# Altium PCB Layout.PcbDoc (part 1 of 2)
Units mm, origin at the board's own origin, x right, y up, seen from the top; angles counter-clockwise.
Board outline 308.8 x 101.28 mm, 2 copper layers (Top Layer, Bottom Layer); 179 components, 115 nets, 662 pads, 125 vias.
Unrouted connection lines stored in the file: 1.
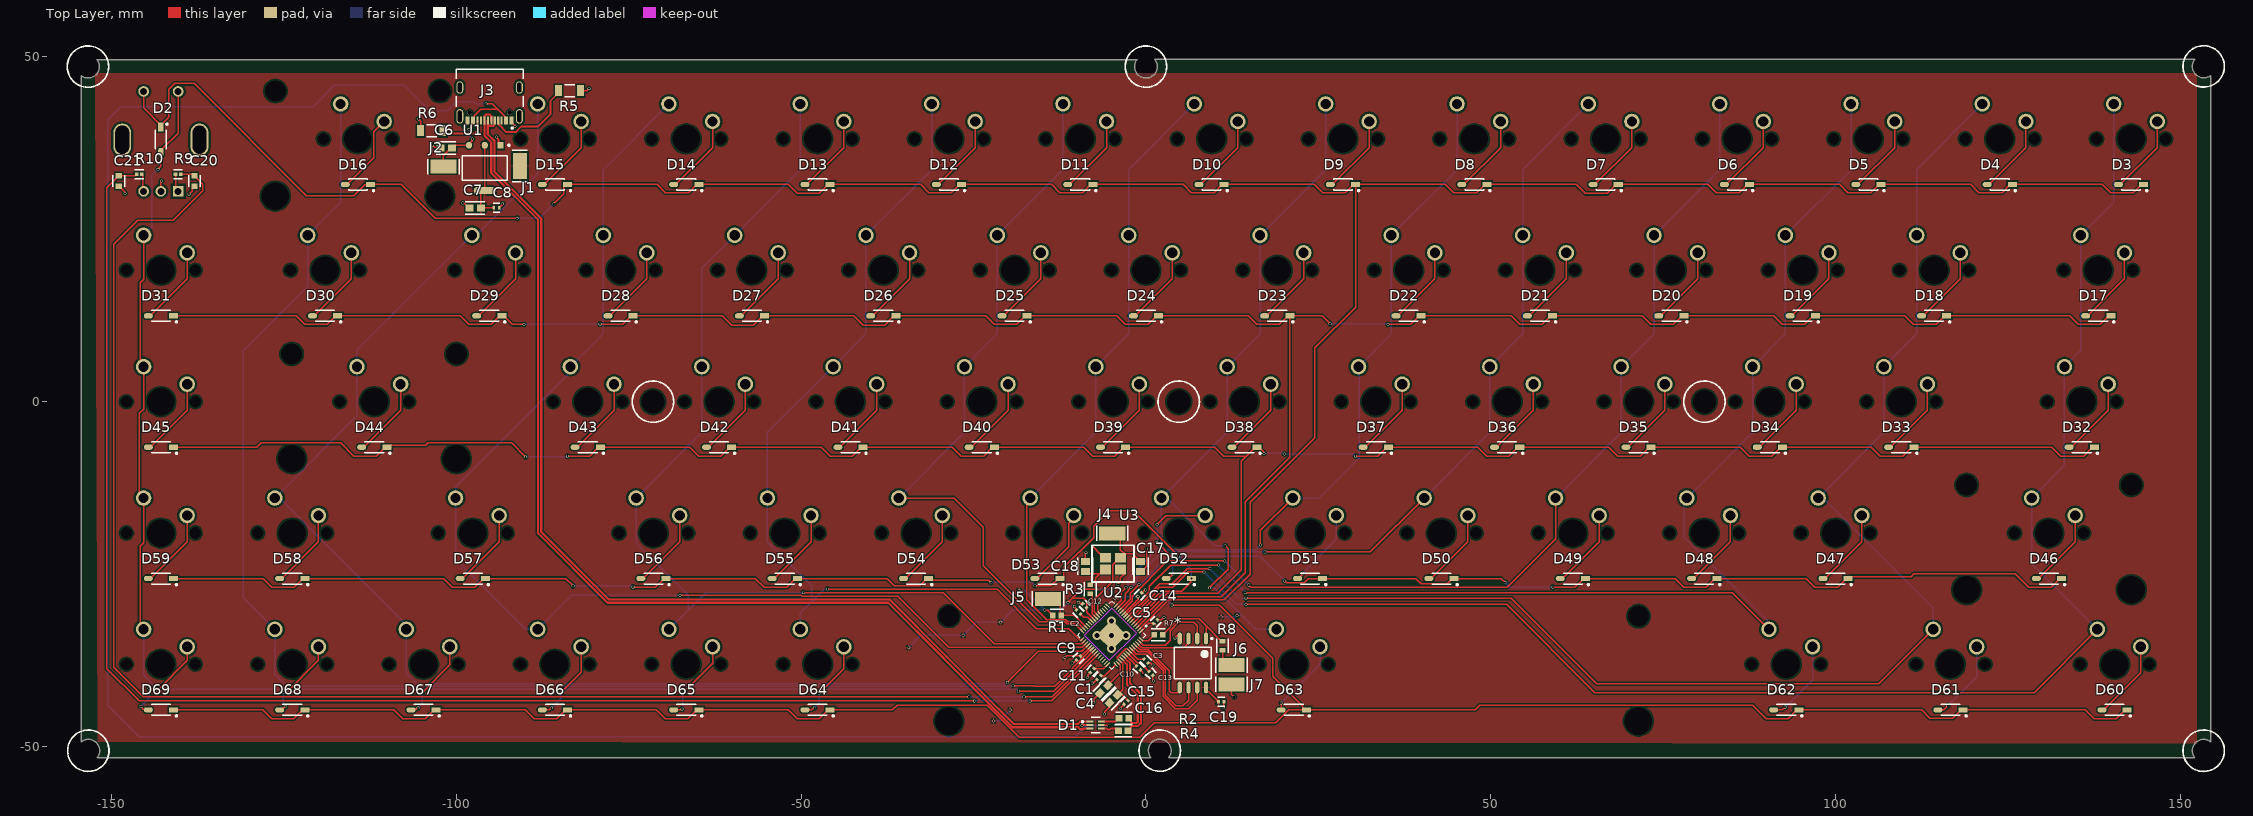
[diagram p0: Top Layer view]
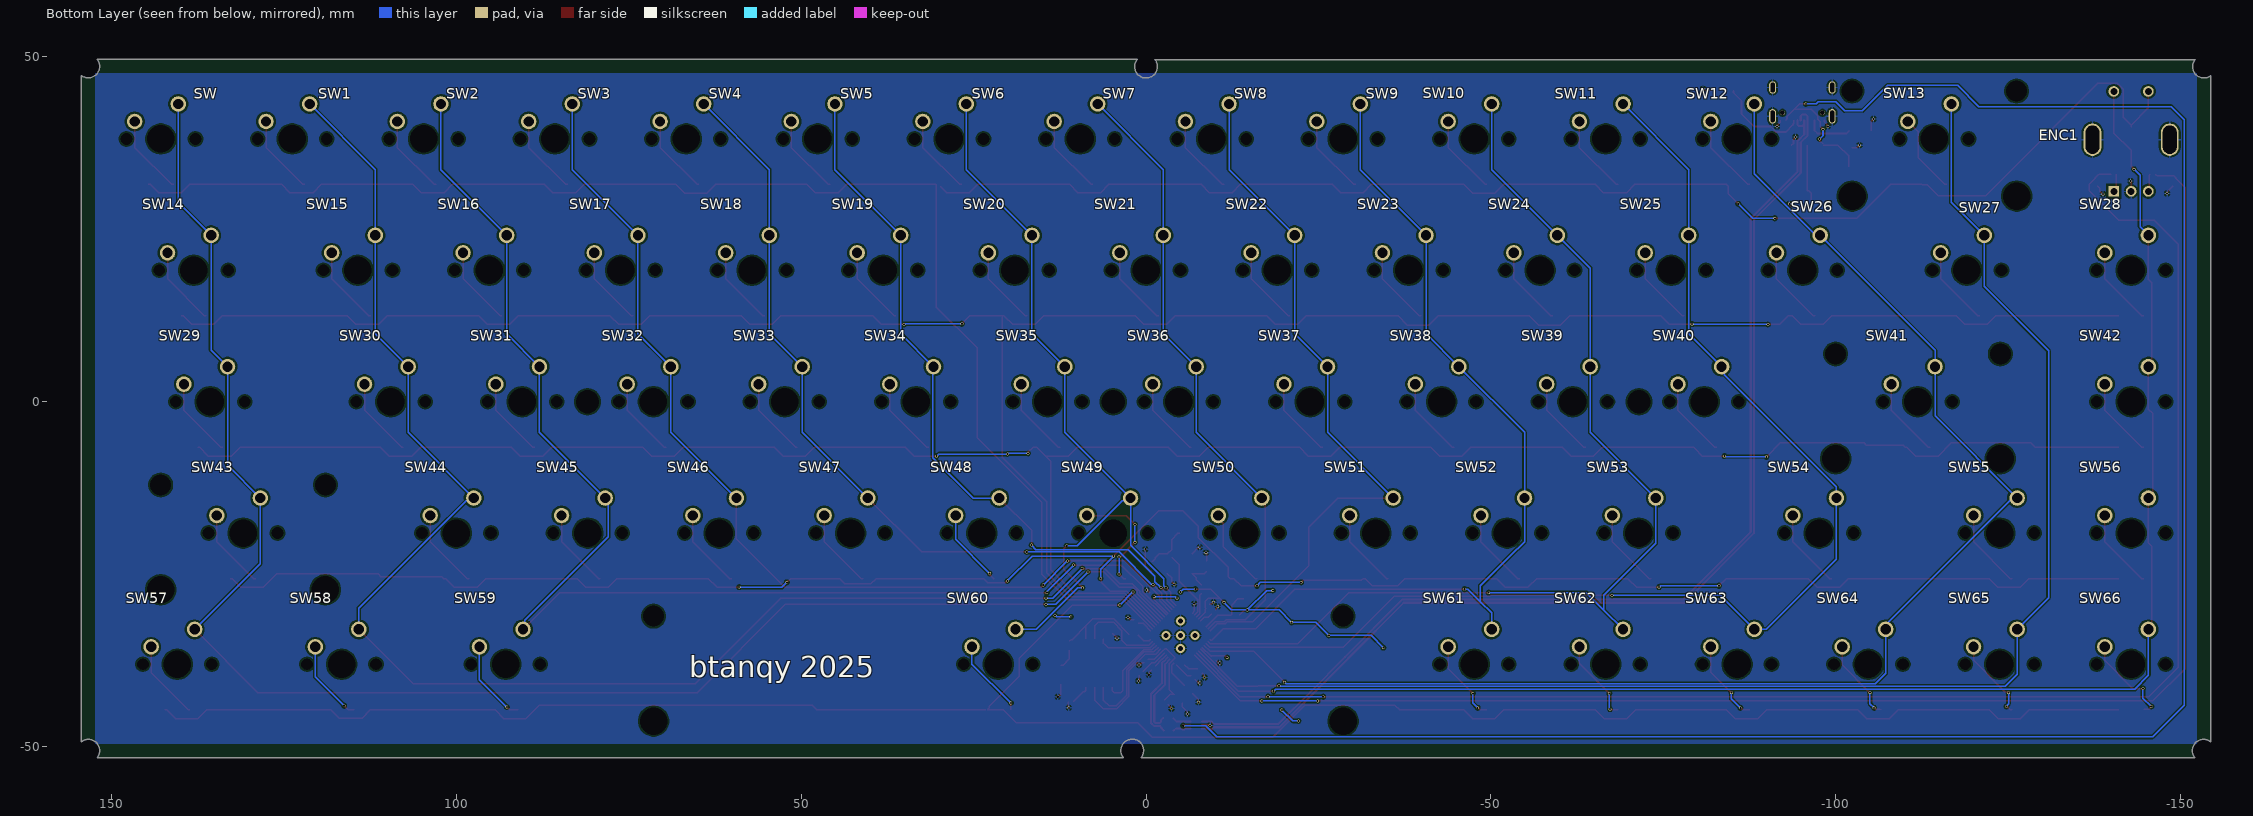
[diagram p1: Bottom Layer view, seen from below]
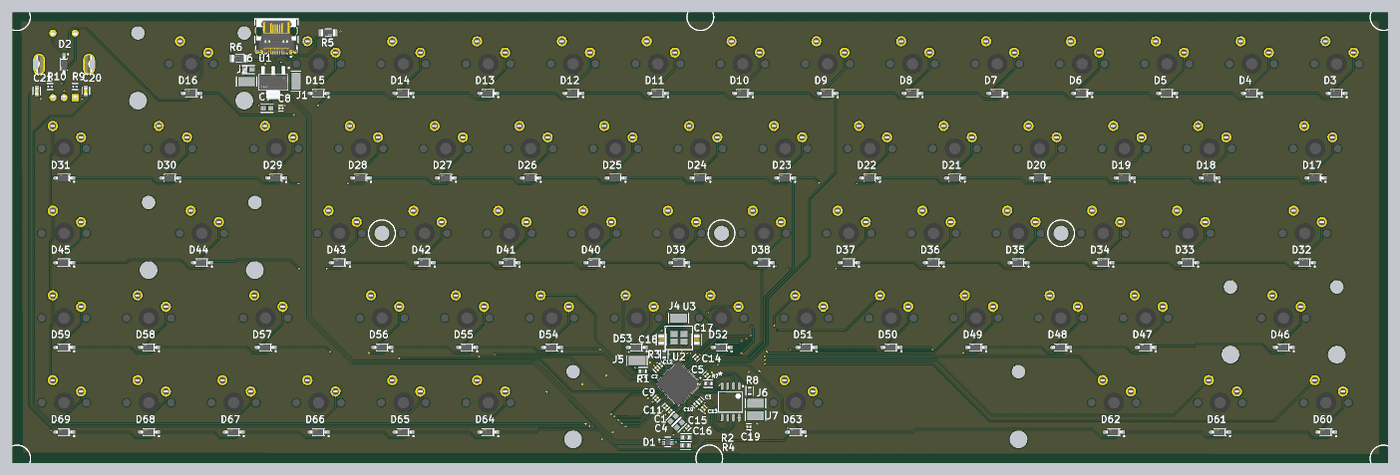
[diagram p3: 3D render of the assembled board from above, using the file's embedded part models]
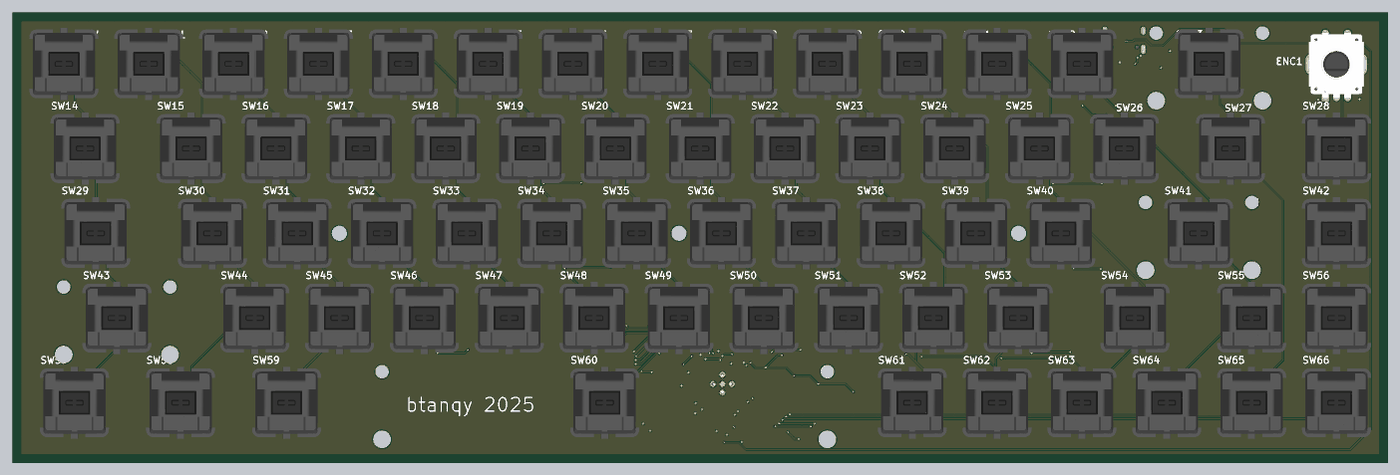
[diagram p4: 3D render of the assembled board from below, using the file's embedded part models]

## Layer stack, top to bottom
Top Solder: solder mask 0.0102, Solder Resist, Dk 3.5
Top Layer: signal copper 0.0356
Dielectric 1: dielectric 0.32, FR-4, Dk 4.8
Bottom Layer: signal copper 0.0356
Bottom Solder: solder mask 0.0102, Solder Resist, Dk 3.5

## Board outline
-154.393,-49.307 -154.393,47.244 -154.4,47.251 ccw(c-153.45,48.6) -152.154,49.622 -1.306,49.622 -1.3,49.616 ccw(c0,48.6) 1.282,49.638 152.077,49.638 152.089,49.626 ccw(c153.4,48.625) 154.393,47.307 154.393,-49.305 154.401,-49.314 ccw(c153.4,-50.625) 152.082,-51.618 3.302,-51.618 3.3,-51.616 ccw(c2,-50.6) 0.718,-51.638 -152.077,-51.638 -152.089,-51.626 ccw(c-153.4,-50.625)

## Design rules (kind name [scope] priority, off if disabled: settings)
Clearance [All] p1: gap=0.2 ignorepadtopadclearanceinfootprint=FALSE except(0.1: Arc-Arc Arc-Track Arc-SMDPad Track-Track Track-SMDPad; 0.15: SMDPad-SMDPad SMDPad-Hole; 0.254: Arc-Text Track-Text SMDPad-Text THPad-Text Via-Text Via-Hole Fill-Text Fill-Hole Poly-Text Poly-Hole Region-Text Region-Hole Text-Text Text-Hole; 0.28: Arc-THPad Track-THPad SMDPad-THPad THPad-THPad; 0.3: THPad-Fill THPad-Poly THPad-Region THPad-Hole)
ComponentClearance [All] p1: gap=0.1 collisioncheckmode=3 verticalgap=0.254 showdistances=FALSE donotcheckwithout3dbody=TRUE
DiffPairsRouting [All] p1: maxlimit=0.15 minlimit=0.15 mostfreqgap=0.15 toplayer_minwidth=0.315 toplayer_maxwidth=0.315 toplayer_prefwidth=0.315 bottomlayer_minwidth=0.315 bottomlayer_maxwidth=0.315 bottomlayer_prefwidth=0.315 maxuncoupledlength=12.7
Height [All] p1: minheight=0 maxheight=50 prefheight=12.7
HoleSize [All] p1: absolutevalues=TRUE maxlimit=10 minlimit=0.025 maxpercent=80.000 minpercent=20.000
MinimumSolderMaskSliver [All] p1: minsoldermaskwidth=0.1
PolygonConnect [All] p1: connectstyle=Relief reliefconductorwidth=0.254 reliefentries=4 polygonreliefangle="90 Angle" airgapwidth=0.254
RoutingVias [All] p1: holewidth=0.3 width=0.4 viastyle="Through Hole" minholewidth=0.3 minwidth=0.4 maxholewidth=0.3 maxwidth=0.45
SilkToSilkClearance [All] p1: silktosilkclearance=0
SilkToSolderMaskClearance [IsPad] p1: minsilkscreentomaskgap=0 clearancetoexposedcopper=TRUE
SolderMaskExpansion [All] p1: expansion=0.05 istentingtop=FALSE
SupplyNets "Schematic Supply Nets_2" [InNet('3V3')] p1: voltage=0.000
SupplyNets "Schematic Supply Nets_1" [InNet('VBUS')] p2: voltage=0.000
SupplyNets "Schematic Supply Nets" [InNet('GND')] p3: voltage=0.000
Width [All] p1: maxlimit=5 minlimit=0.1 preferedwidth=0.2 minimp=50.000000 maximp=50.000000 favimp=50.000000
23 further rules are at their usual default settings.

## Classes and differential pairs
component class Keyboard: * C1 C2 C3 C4 C5 C6 C7 C8 C9 C10 C11 C12 C13 C14 C15 C16 C17 C18 C19 D1 J1 J2 J3 J4 J5 J6 J7 R1 R2 R3 R4 R5 R6 R7 R8 U1 U3
component class Designator: C20 C21 D2 D3 D4 D5 D6 D7 D8 D9 D10 D11 D12 D13 D14 D15 D16 D17 D18 D19 D20 D21 D22 D23 D24 D25 D26 D27 D28 D29 D30 D31 D32 D33 D34 D35 D36 D37 D38 D39 D40 D41 D42 D43 D44 D45 D46 D47 D48 D49 D50 D51 D52 D53 D54 D55 D56 D57 D58 D59 D60 D61 D62 D63 D64 D65 D66 D67 D68 D69 ENC1 R9 R10 SW SW1 SW2 SW3 SW4 SW5 SW6 SW7 SW8 SW9 SW10 SW11 SW12 SW13 SW14 SW15 SW16 SW17 SW18 SW19 SW20 SW21 SW22 SW23 SW24 SW25 SW26 SW27 SW28 SW29 SW30 SW31 SW32 SW33 SW34 SW35 SW36 SW37 SW38 SW39 SW40 SW41 SW42 SW43 SW44 SW45 SW46 SW47 SW48 SW49 SW50 SW51 SW52 SW53 SW54 SW55 SW56 SW57 SW58 SW59 SW60 SW61 SW62 SW63 SW64 SW65 SW66
differential pair USB_D: +USB_D_P -USB_D_N
differential pair D: +D_P -D_N

## Components (designator, comment, footprint, x,y, rotation, side; value= is the part's Value field where it differs from the comment)
* "IS25LP080D-JBLE-TR1" SOIC127P790X216-8N 6.8,-37.9 r270 top
C1 "GRM155R71C104KA88J" FP-GRM155-0_05-MFG -6.8,-40 r45 top
C2 "GRM155R71C104KA88J" FP-GRM155-0_05-MFG -9.8,-30.5 r315 top
C3 "GRM155R71C104KA88J" FP-GRM155-0_05-MFG 0,-37.6 r135 top
C4 "CL10A105KO8NNNC" FP-CL10-IPC_A -6.1,-41.7 r225 top
C5 "GRM155R71C104KA88J" FP-GRM155-0_05-MFG 1.4,-31.9 r225 top
C6 "CL10A105KO8NNNC" FP-CL10-IPC_A -101.5,36.8 r180 top
C7 "CL10A105KO8NNNC" FP-CL10-IPC_A -97.3,28.1 r180 top
C8 "GRM155R71C104KA88J" FP-GRM155-0_05-MFG -94.2,28.1 r0 top
C9 "GRM155R71C104KA88J" FP-GRM155-0_05-MFG -9.8,-37.2 r45 top
C10 "GRM155R71C104KA88J" FP-GRM155-0_05-MFG -1.1,-38.6 r135 top
C11 "GRM155R71C104KA88J" FP-GRM155-0_05-MFG -7.8,-39 r45 top
C12 "GRM155R71C104KA88J" FP-GRM155-0_05-MFG -8.9,-29.6 r315 top
C13 "GRM155R71C104KA88J" FP-GRM155-0_05-MFG 0.7,-39.4 r135 top
C14 "GRM155R71C104KA88J" FP-GRM155-0_05-MFG -0.9,-28 r225 top
C15 "CL10A105KO8NNNC" FP-CL10-IPC_A -4.7,-43.1 r45 top
C16 "GRM155R71C104KA88J" FP-GRM155-0_05-MFG -2.9,-43.6 r45 top
C17 "GQM2195C2E320JB12D" FP-GQM219-0_15-IPC_C -0.8,-23.9 r270 top
C18 "GQM2195C2E320JB12D" FP-GQM219-0_15-IPC_C -8.8,-23.9 r90 top
C19 "GRM155R71C104KA88J" FP-GRM155-0_05-MFG 10.9,-43.5 r180 top
C20 "CC0603KRX7R9BB103" FP-CC0603-DA-MFG -138,32 r270 top value="10 nF"
C21 "CC0603KRX7R9BB103" FP-CC0603-DA-MFG -149,32 r90 top value="10 nF"
D1 "USBLC6-2P6" FP-SOT-666-MFG -7.3,-46.9 r0 top
D2 "1N4148W-TP" FP-SOD-123-IPC_A -142.88,38 r270 top
D3 "1N4148W-TP" FP-SOD-123-IPC_A 142.87,31.5 r180 top
D4 "1N4148W-TP" FP-SOD-123-IPC_A 123.82,31.5 r180 top
D5 "1N4148W-TP" FP-SOD-123-IPC_A 104.77,31.5 r180 top
D6 "1N4148W-TP" FP-SOD-123-IPC_A 85.72,31.5 r180 top
D7 "1N4148W-TP" FP-SOD-123-IPC_A 66.67,31.5 r180 top
D8 "1N4148W-TP" FP-SOD-123-IPC_A 47.62,31.5 r180 top
D9 "1N4148W-TP" FP-SOD-123-IPC_A 28.57,31.5 r180 top
D10 "1N4148W-TP" FP-SOD-123-IPC_A 9.52,31.5 r180 top
D11 "1N4148W-TP" FP-SOD-123-IPC_A -9.53,31.5 r180 top
D12 "1N4148W-TP" FP-SOD-123-IPC_A -28.58,31.5 r180 top
D13 "1N4148W-TP" FP-SOD-123-IPC_A -47.63,31.5 r180 top
D14 "1N4148W-TP" FP-SOD-123-IPC_A -66.68,31.5 r180 top
D15 "1N4148W-TP" FP-SOD-123-IPC_A -85.73,31.5 r180 top
D16 "1N4148W-TP" FP-SOD-123-IPC_A -114.305,31.5 r180 top
D17 "1N4148W-TP" FP-SOD-123-IPC_A 138.108,12.45 r180 top
D18 "1N4148W-TP" FP-SOD-123-IPC_A 114.295,12.45 r180 top
D19 "1N4148W-TP" FP-SOD-123-IPC_A 95.245,12.45 r180 top
D20 "1N4148W-TP" FP-SOD-123-IPC_A 76.195,12.45 r180 top
D21 "1N4148W-TP" FP-SOD-123-IPC_A 57.145,12.45 r180 top
D22 "1N4148W-TP" FP-SOD-123-IPC_A 38.095,12.45 r180 top
D23 "1N4148W-TP" FP-SOD-123-IPC_A 19.045,12.45 r180 top
D24 "1N4148W-TP" FP-SOD-123-IPC_A -0.005,12.45 r180 top
D25 "1N4148W-TP" FP-SOD-123-IPC_A -19.055,12.45 r180 top
D26 "1N4148W-TP" FP-SOD-123-IPC_A -38.105,12.45 r180 top
D27 "1N4148W-TP" FP-SOD-123-IPC_A -57.155,12.45 r180 top
D28 "1N4148W-TP" FP-SOD-123-IPC_A -76.205,12.45 r180 top
D29 "1N4148W-TP" FP-SOD-123-IPC_A -95.255,12.45 r180 top
D30 "1N4148W-TP" FP-SOD-123-IPC_A -119.067,12.45 r180 top
D31 "1N4148W-TP" FP-SOD-123-IPC_A -142.88,12.45 r180 top
D32 "1N4148W-TP" FP-SOD-123-IPC_A 135.726,-6.6 r180 top
D33 "1N4148W-TP" FP-SOD-123-IPC_A 109.532,-6.6 r180 top
D34 "1N4148W-TP" FP-SOD-123-IPC_A 90.482,-6.6 r180 top
D35 "1N4148W-TP" FP-SOD-123-IPC_A 71.432,-6.6 r180 top
D36 "1N4148W-TP" FP-SOD-123-IPC_A 52.382,-6.6 r180 top
D37 "1N4148W-TP" FP-SOD-123-IPC_A 33.332,-6.6 r180 top
D38 "1N4148W-TP" FP-SOD-123-IPC_A 14.282,-6.6 r180 top
D39 "1N4148W-TP" FP-SOD-123-IPC_A -4.768,-6.6 r180 top
D40 "1N4148W-TP" FP-SOD-123-IPC_A -23.818,-6.6 r180 top
D41 "1N4148W-TP" FP-SOD-123-IPC_A -42.868,-6.6 r180 top
D42 "1N4148W-TP" FP-SOD-123-IPC_A -61.918,-6.6 r180 top
D43 "1N4148W-TP" FP-SOD-123-IPC_A -80.968,-6.6 r180 top
D44 "1N4148W-TP" FP-SOD-123-IPC_A -111.924,-6.6 r180 top
D45 "1N4148W-TP" FP-SOD-123-IPC_A -142.88,-6.6 r180 top
D46 "1N4148W-TP" FP-SOD-123-IPC_A 130.964,-25.65 r180 top
D47 "1N4148W-TP" FP-SOD-123-IPC_A 100.008,-25.65 r180 top
D48 "1N4148W-TP" FP-SOD-123-IPC_A 80.958,-25.65 r180 top
D49 "1N4148W-TP" FP-SOD-123-IPC_A 61.908,-25.65 r180 top
D50 "1N4148W-TP" FP-SOD-123-IPC_A 42.858,-25.65 r180 top
D51 "1N4148W-TP" FP-SOD-123-IPC_A 23.808,-25.65 r180 top
D52 "1N4148W-TP" FP-SOD-123-IPC_A 4.758,-25.65 r180 top
D53 "1N4148W-TP" FP-SOD-123-IPC_A -14.292,-25.65 r180 top
D54 "1N4148W-TP" FP-SOD-123-IPC_A -33.342,-25.65 r180 top
D55 "1N4148W-TP" FP-SOD-123-IPC_A -52.392,-25.65 r180 top
D56 "1N4148W-TP" FP-SOD-123-IPC_A -71.442,-25.65 r180 top
D57 "1N4148W-TP" FP-SOD-123-IPC_A -97.636,-25.65 r180 top
D58 "1N4148W-TP" FP-SOD-123-IPC_A -123.83,-25.65 r180 top
D59 "1N4148W-TP" FP-SOD-123-IPC_A -142.88,-25.65 r180 top
D60 "1N4148W-TP" FP-SOD-123-IPC_A 140.489,-44.7 r180 top
D61 "1N4148W-TP" FP-SOD-123-IPC_A 116.677,-44.7 r180 top
D62 "1N4148W-TP" FP-SOD-123-IPC_A 92.865,-44.7 r180 top
D63 "1N4148W-TP" FP-SOD-123-IPC_A 21.428,-44.7 r180 top
D64 "1N4148W-TP" FP-SOD-123-IPC_A -47.628,-44.7 r180 top
D65 "1N4148W-TP" FP-SOD-123-IPC_A -66.678,-44.7 r180 top
D66 "1N4148W-TP" FP-SOD-123-IPC_A -85.728,-44.7 r180 top
D67 "1N4148W-TP" FP-SOD-123-IPC_A -104.778,-44.7 r180 top
D68 "1N4148W-TP" FP-SOD-123-IPC_A -123.828,-44.7 r180 top
D69 "1N4148W-TP" FP-SOD-123-IPC_A -142.878,-44.7 r180 top
ENC1 "PEC12R-4225F-S0024" FP-PEC12R-4225F-S0024-MFG -142.88,38 r180 bottom
J1 "5019" FP-5019-MFG -90.8,34.2 r90 top
J2 "5019" FP-5019-MFG -101.9,34.1 r0 top
J3 "USB4105-GF-A" FP-USB4105-GF-A-MFG -95.2,44.4 r180 top
J4 "5019" FP-5019-MFG -4.9,-19.1 r0 top
J5 "5019" FP-5019-MFG -14.2,-28.6 r0 top
J6 "5019" FP-5019-MFG 12.4,-38.2 r0 top
J7 "5019" FP-5019-MFG 12.4,-41 r0 top
R1 "RMCF0603JT10K0" FP-RMCF0603-IPC_C -12.9,-31 r180 top
R2 "RMCF0603FT27R0" FP-RMCF0603-IPC_B -3.2,-45.9 r0 top
R3 "RC0603FR-071KL" FP-RC0603-0_55-IPC_C -8.1,-27.2 r270 top
R4 "RMCF0603FT27R0" FP-RMCF0603-IPC_B -3.3,-47.7 r0 top
R5 "RMCF1206JT56K0" FP-RMCF1206-MFG -83.6,45.1 r0 top
R6 "RMCF1206JT56K0" FP-RMCF1206-MFG -103.6,39.3 r180 top
R7 "RMCF0603JT10K0" FP-RMCF0603-IPC_C 1.8,-33.8 r180 top
R8 "RC0603FR-071KL" FP-RC0603-0_55-IPC_C 11.1,-35.4 r90 top
R9 "RC0402JR-0710KL" FP-RC0402-0_4-IPC_C -140.379,33 r0 top
R10 "RC0402JR-0710KL" FP-RC0402-0_4-IPC_C -146,33 r180 top
SW "CherryMX" CherryMX-Footprint-1 142.87,38.1 r180 bottom
SW1 "CherryMX" CherryMX-Footprint-1 123.82,38.1 r180 bottom
SW2 "CherryMX" CherryMX-Footprint-1 104.77,38.1 r180 bottom
SW3 "CherryMX" CherryMX-Footprint-1 85.72,38.1 r180 bottom
SW4 "CherryMX" CherryMX-Footprint-1 66.67,38.1 r180 bottom
SW5 "CherryMX" CherryMX-Footprint-1 47.62,38.1 r180 bottom
SW6 "CherryMX" CherryMX-Footprint-1 28.57,38.1 r180 bottom
SW7 "CherryMX" CherryMX-Footprint-1 9.52,38.1 r180 bottom
SW8 "CherryMX" CherryMX-Footprint-1 -9.53,38.1 r180 bottom
SW9 "CherryMX" CherryMX-Footprint-1 -28.58,38.1 r180 bottom
SW10 "CherryMX" CherryMX-Footprint-1 -47.63,38.1 r180 bottom
SW11 "CherryMX" CherryMX-Footprint-1 -66.68,38.1 r180 bottom
SW12 "CherryMX" CherryMX-Footprint-1 -85.73,38.1 r180 bottom
SW13 "CherryMX" CherryMX-Footprint-1 -114.305,38.1 r180 bottom
SW14 "CherryMX" CherryMX-Footprint-1 138.108,19.05 r180 bottom
SW15 "CherryMX" CherryMX-Footprint-1 114.295,19.05 r180 bottom
SW16 "CherryMX" CherryMX-Footprint-1 95.245,19.05 r180 bottom
SW17 "CherryMX" CherryMX-Footprint-1 76.195,19.05 r180 bottom
SW18 "CherryMX" CherryMX-Footprint-1 57.145,19.05 r180 bottom
SW19 "CherryMX" CherryMX-Footprint-1 38.095,19.05 r180 bottom
SW20 "CherryMX" CherryMX-Footprint-1 19.045,19.05 r180 bottom
SW21 "CherryMX" CherryMX-Footprint-1 -0.005,19.05 r180 bottom
SW22 "CherryMX" CherryMX-Footprint-1 -19.055,19.05 r180 bottom
SW23 "CherryMX" CherryMX-Footprint-1 -38.105,19.05 r180 bottom
SW24 "CherryMX" CherryMX-Footprint-1 -57.155,19.05 r180 bottom
SW25 "CherryMX" CherryMX-Footprint-1 -76.205,19.05 r180 bottom
SW26 "CherryMX" CherryMX-Footprint-1 -95.255,19.05 r180 bottom
SW27 "CherryMX" CherryMX-Footprint-1 -119.067,19.05 r180 bottom
SW28 "CherryMX" CherryMX-Footprint-1 -142.88,19.05 r180 bottom
SW29 "CherryMX" CherryMX-Footprint-1 135.726,0 r180 bottom
SW30 "CherryMX" CherryMX-Footprint-1 109.532,0 r180 bottom
SW31 "CherryMX" CherryMX-Footprint-1 90.482,0 r180 bottom
SW32 "CherryMX" CherryMX-Footprint-1 71.432,0 r180 bottom
SW33 "CherryMX" CherryMX-Footprint-1 52.382,0 r180 bottom
SW34 "CherryMX" CherryMX-Footprint-1 33.332,0 r180 bottom
SW35 "CherryMX" CherryMX-Footprint-1 14.282,0 r180 bottom
SW36 "CherryMX" CherryMX-Footprint-1 -4.768,0 r180 bottom
SW37 "CherryMX" CherryMX-Footprint-1 -23.818,0 r180 bottom
SW38 "CherryMX" CherryMX-Footprint-1 -42.868,0 r180 bottom
SW39 "CherryMX" CherryMX-Footprint-1 -61.918,0 r180 bottom
SW40 "CherryMX" CherryMX-Footprint-1 -80.968,0 r180 bottom
SW41 "CherryMX" CherryMX-Footprint-1 -111.924,0 r180 bottom
SW42 "CherryMX" CherryMX-Footprint-1 -142.88,0 r180 bottom
SW43 "CherryMX" CherryMX-Footprint-1 130.964,-19.05 r180 bottom
SW44 "CherryMX" CherryMX-Footprint-1 100.008,-19.05 r180 bottom
SW45 "CherryMX" CherryMX-Footprint-1 80.958,-19.05 r180 bottom
SW46 "CherryMX" CherryMX-Footprint-1 61.908,-19.05 r180 bottom
SW47 "CherryMX" CherryMX-Footprint-1 42.858,-19.05 r180 bottom
SW48 "CherryMX" CherryMX-Footprint-1 23.808,-19.05 r180 bottom
SW49 "CherryMX" CherryMX-Footprint-1 4.758,-19.05 r180 bottom
SW50 "CherryMX" CherryMX-Footprint-1 -14.292,-19.05 r180 bottom
SW51 "CherryMX" CherryMX-Footprint-1 -33.342,-19.05 r180 bottom
SW52 "CherryMX" CherryMX-Footprint-1 -52.392,-19.05 r180 bottom
SW53 "CherryMX" CherryMX-Footprint-1 -71.442,-19.05 r180 bottom
SW54 "CherryMX" CherryMX-Footprint-1 -97.636,-19.05 r180 bottom
SW55 "CherryMX" CherryMX-Footprint-1 -123.83,-19.05 r180 bottom
SW56 "CherryMX" CherryMX-Footprint-1 -142.88,-19.05 r180 bottom
SW57 "CherryMX" CherryMX-Footprint-1 140.489,-38.1 r180 bottom
SW58 "CherryMX" CherryMX-Footprint-1 116.677,-38.1 r180 bottom
SW59 "CherryMX" CherryMX-Footprint-1 92.865,-38.1 r180 bottom
SW60 "CherryMX" CherryMX-Footprint-1 21.428,-38.1 r180 bottom
SW61 "CherryMX" CherryMX-Footprint-1 -47.628,-38.1 r180 bottom
SW62 "CherryMX" CherryMX-Footprint-1 -66.678,-38.1 r180 bottom
SW63 "CherryMX" CherryMX-Footprint-1 -85.728,-38.1 r180 bottom
SW64 "CherryMX" CherryMX-Footprint-1 -104.778,-38.1 r180 bottom
SW65 "CherryMX" CherryMX-Footprint-1 -123.828,-38.1 r180 bottom
SW66 "CherryMX" CherryMX-Footprint-1 -142.878,-38.1 r180 bottom
U1 "AMS1117-3.3" FP-AMS1117-IPC_C -95.9,33.9 r270 top
U2 "RP2040" QFN40P700X700X90-57N -4.978,-33.864 r225 top